# KiCad board PQ_EGSE.kicad_pcb
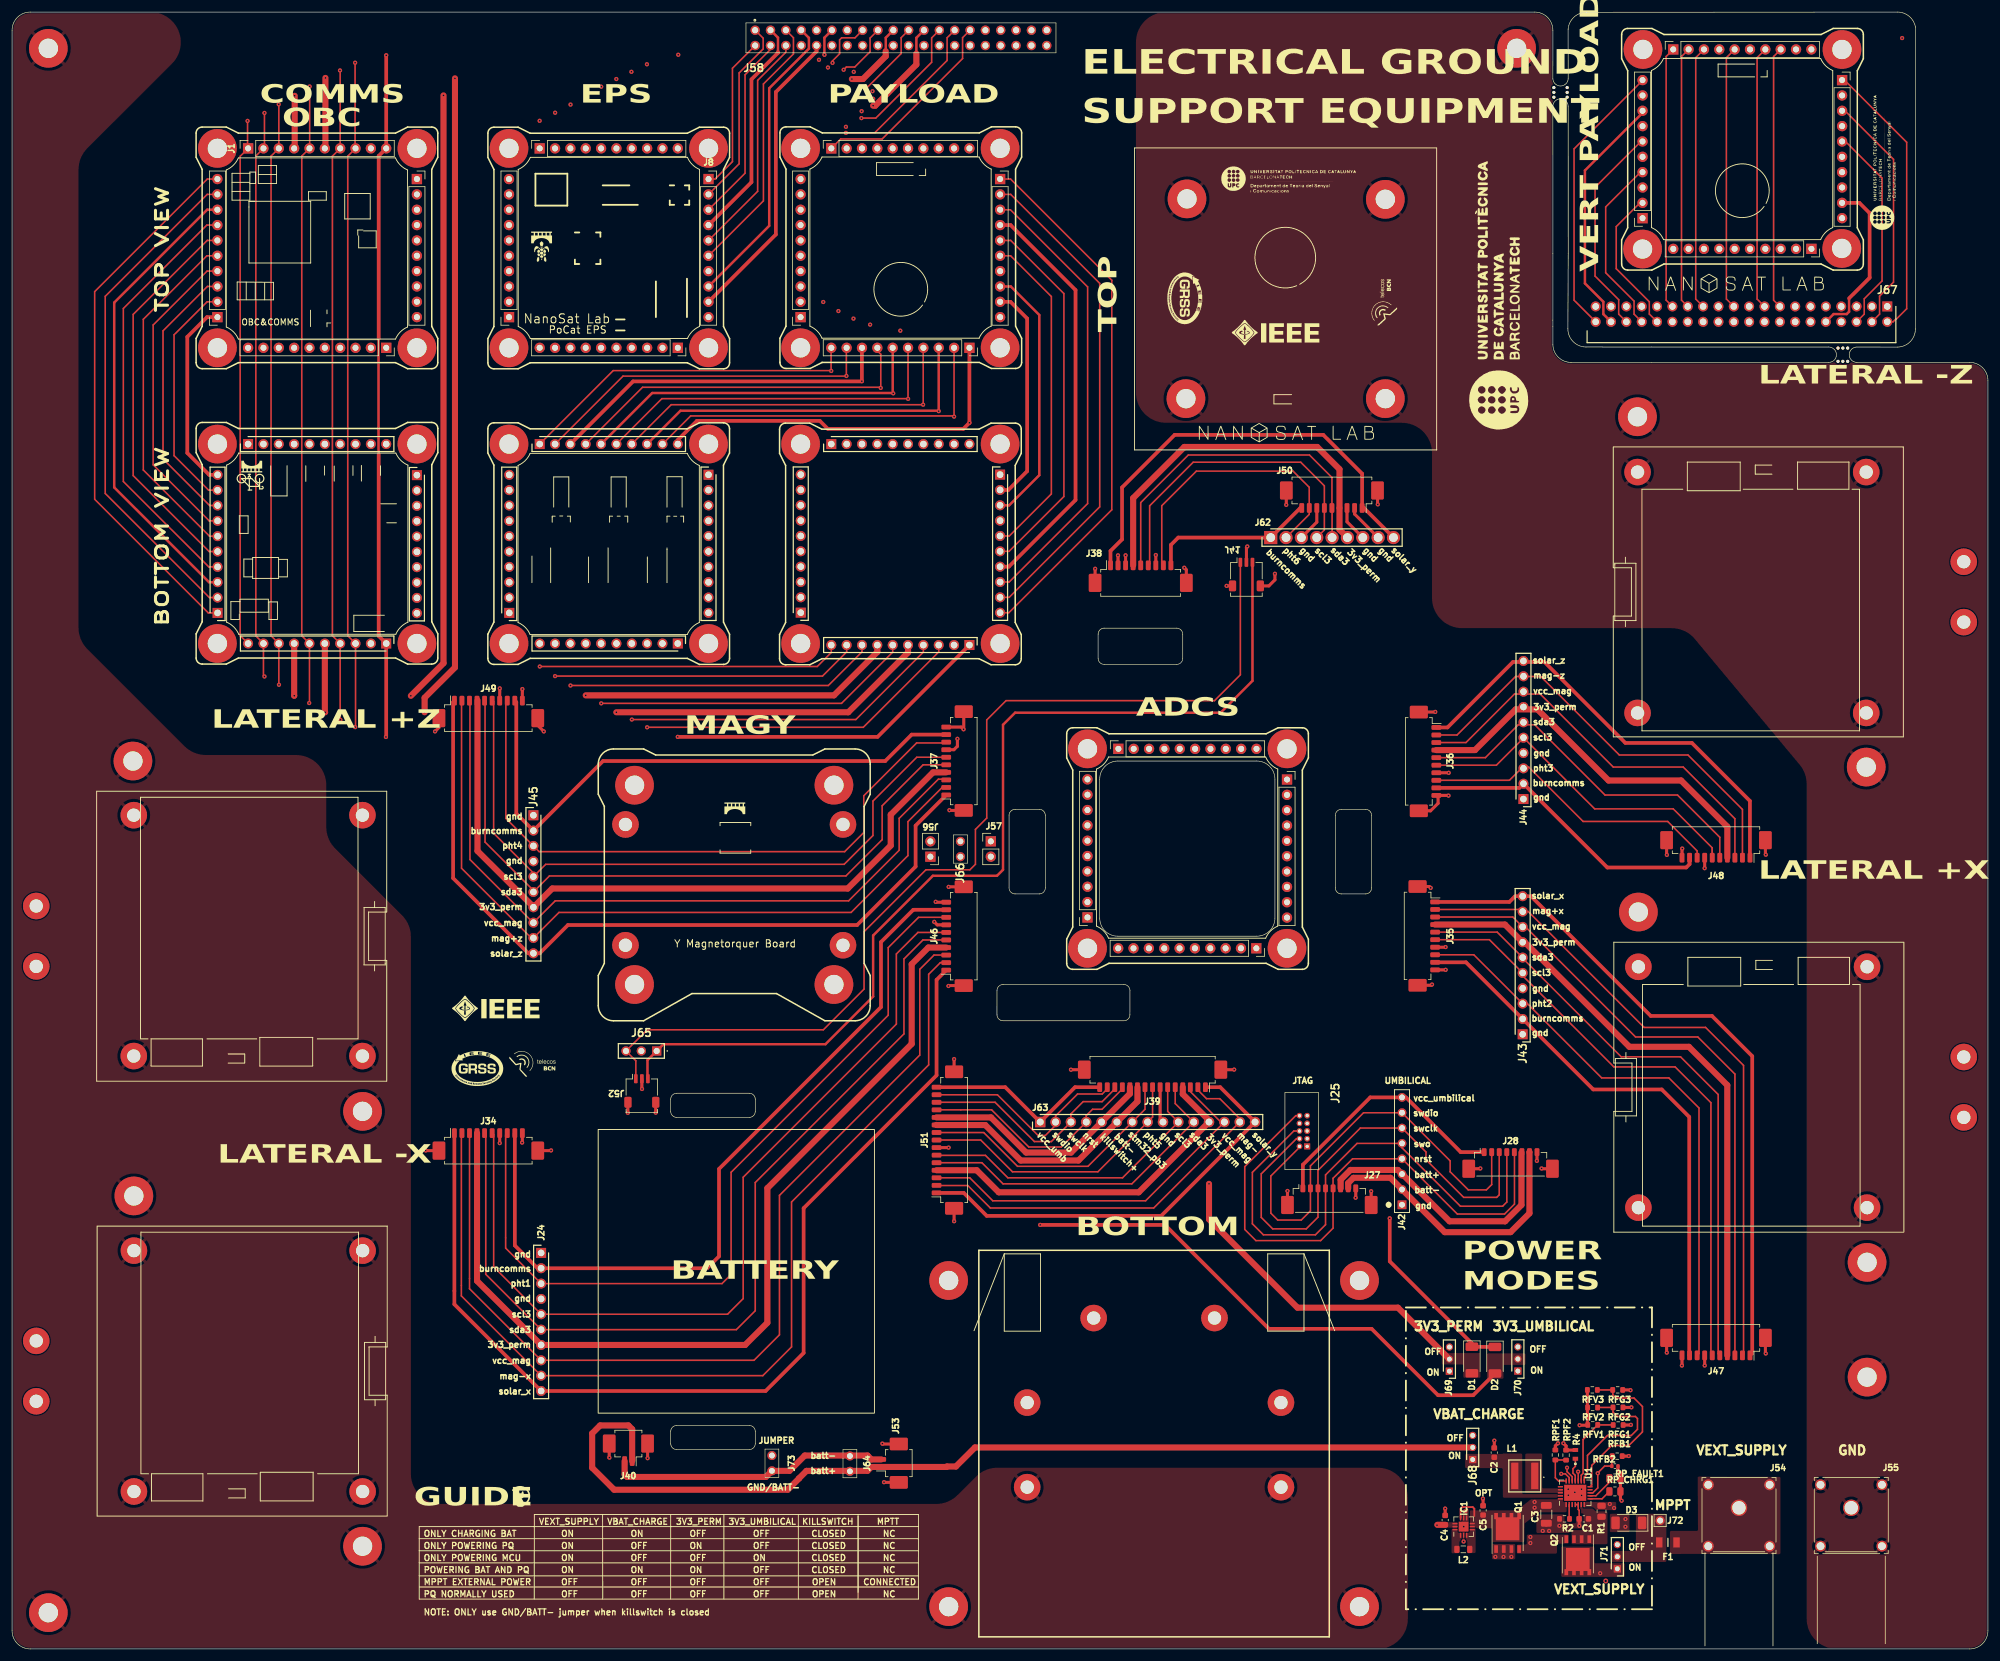
[diagram p0: board, top side]
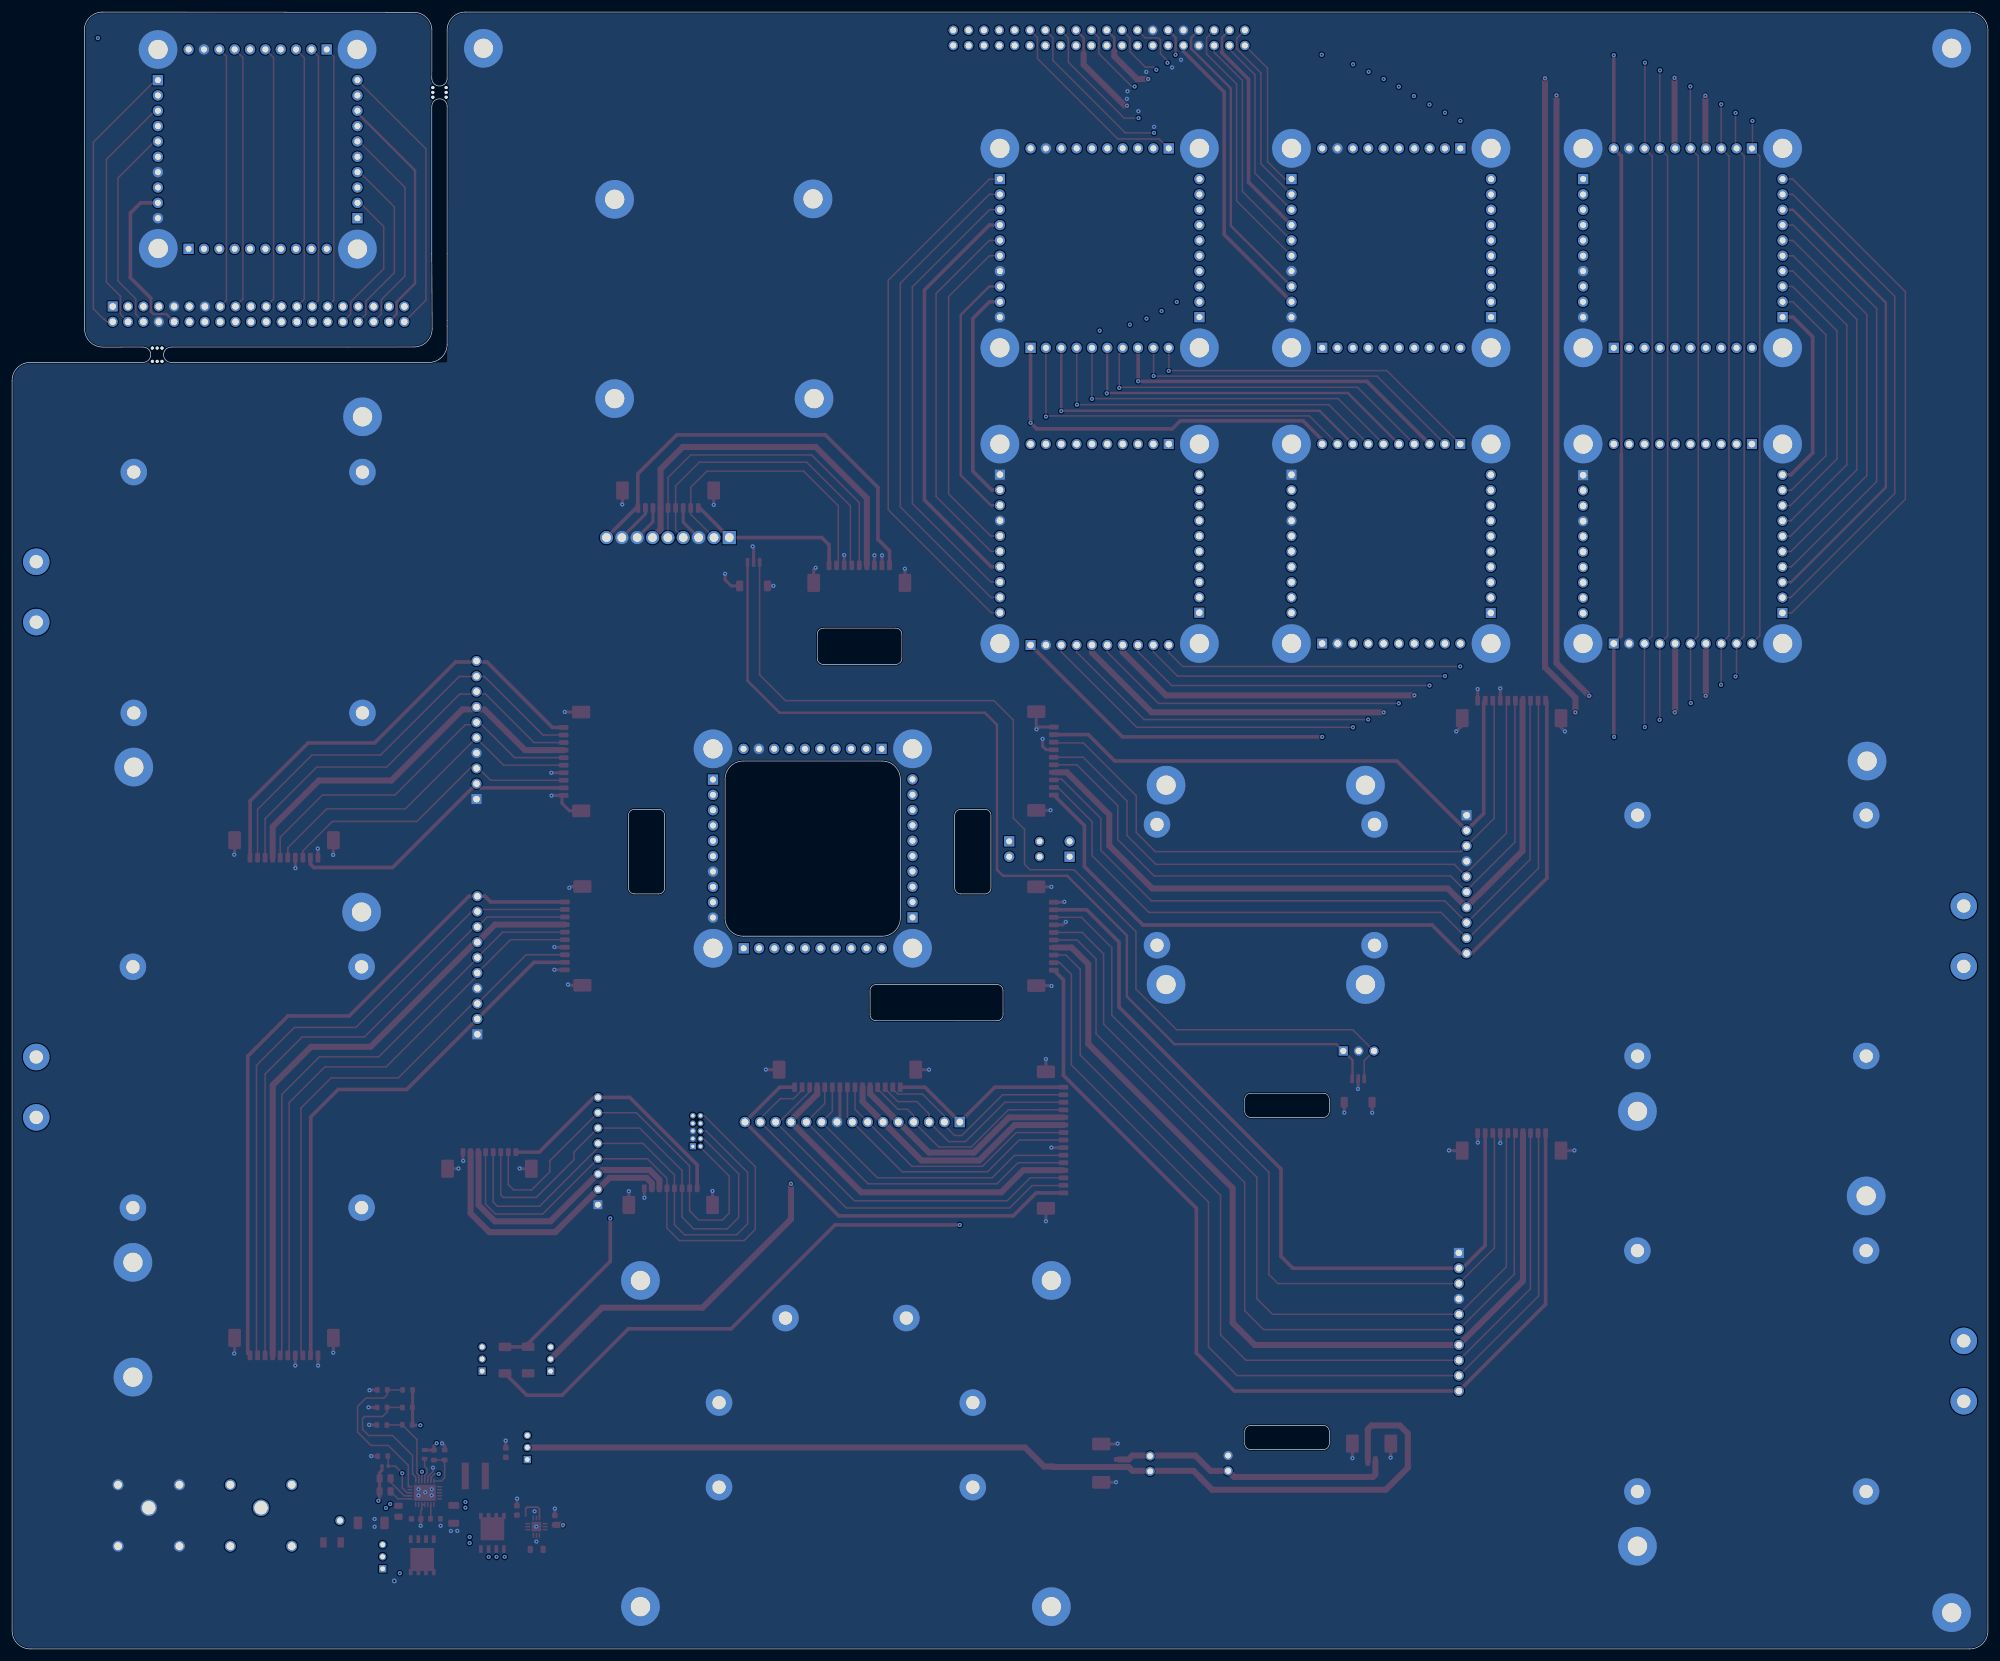
[diagram p1: board, bottom side, seen from below]

Outline 327 x 271 mm; copper layers: Top, In1.Cu, In2.Cu, In3.Cu, In4.Cu, Bottom. Coordinates in mm from the lower left corner of the outline.
Outline path: 254.99,255.37 255,230.99 255,220 255,216 arc(255.88,213.88) 258,213 271.31,213 300.66,213 ; 254.99,260.03 255,268 arc(254.12,270.12) 252,271 3,271 arc(0.88,270.12) 0,268 0,3 arc(0.88,0.88) 3,0 324,0 arc(326.12,0.88) 327,3 327,210 arc(326.12,212.12) 324,213 305.32,213 ; 257.53,260.03 257.52,268.15 arc(258.48,270.15) 260.54,270.97 312,271 arc(313.95,270.32) 315,268.54 315,218.54 arc(314.12,216.41) 312,215.54 305.32,215.54 ; 257.53,255.37 257.54,230.99 257.48,218.55 arc(258.36,216.43) 260.48,215.55 271.31,215.54 300.66,215.54 ; 109,91 109,89 arc(109.29,88.29) 110,88 122,88 arc(122.71,88.29) 123,89 123,91 arc(122.71,91.71) 122,92 110,92 arc(109.29,91.71) 109,91 ; 109,36 109,34 arc(109.29,33.29) 110,33 122,33 arc(122.71,33.29) 123,34 123,36 arc(122.71,36.71) 122,37 110,37 arc(109.29,36.71) 109,36 ; 163,109 163,105 arc(163.29,104.29) 164,104 184,104 arc(184.71,104.29) 185,105 185.01,109.03 arc(184.7,109.72) 184.01,110 164,110 arc(163.3,109.71) 163,109 ; 165,138 165,126 arc(165.29,125.29) 166,125 170,125 arc(170.71,125.29) 171,126 171,138 arc(170.71,138.71) 170,139 166,139 arc(165.29,138.71) 165,138 ; 179.74,168 179.74,164 arc(180.03,163.29) 180.74,163 192.74,163 arc(193.45,163.29) 193.74,164 193.74,168 arc(193.45,168.71) 192.74,169 180.74,169 arc(180.03,168.71) 179.74,168 ; 180,144 180,121 arc(180.88,118.88) 183,118 206,118 arc(208.12,118.88) 209,121 209,144 arc(208.12,146.12) 206,147 183,147 arc(180.88,146.12) 180,144 ; 219,138 219,126 arc(219.29,125.29) 220,125 224,125 arc(224.71,125.29) 225,126 225,138 arc(224.71,138.71) 224,139 220,139 arc(219.29,138.71) 219,138
Stack: Top 0.035mm / dielectric 0.1mm FR4 er 4.5 / In1.Cu 0.035mm / dielectric 0.535mm FR4 er 4.5 / In2.Cu 0.035mm / dielectric 0.1mm FR4 er 4.5 / In3.Cu 0.035mm / dielectric 0.535mm FR4 er 4.5 / In4.Cu 0.035mm / dielectric 0.1mm FR4 er 4.5 / Bottom 0.035mm

## Placement (name value [footprint] x y rotation side)
Annotation1  Silkscreen_Annotation  [Bike]  41.26 197.67 180 top
Annotation1#2  Silkscreen_Annotation  [IEEE_logo]  210.62 217.9 0 top
Annotation1#3  Silkscreen_Annotation  [GRSS]  77 96 0 top
Annotation1#4  Silkscreen_Annotation  [Bridgemaker]  119.57 139.08 0 top
Annotation1#5  Silkscreen_Annotation  [Bridgemaker]  87.59 233.6 0 top
Annotation2  Silkscreen_Annotation  [NakNak]  87.66 231.13 0 top
Annotation2#2  Silkscreen_Annotation  [GRSS]  194 223.62 270 top
Annotation2#3  Silkscreen_Annotation  [IEEE_logo]  81.58 106.01 0 top
Annotation3  Silkscreen_Annotation  [NSL_long]  286 226 0 top
Annotation3#2  Silkscreen_Annotation  [NSL_long]  211.55 201.29 0 top
Annotation4  Silkscreen_Annotation  [Telecos]  227.16 223.26 90 top
Annotation4#2  Silkscreen_Annotation  [Telecos]  86.43 96.81 0 top
Annotation5  Silkscreen_Annotation  [UPC_positiu]  309.9 245.8 90 top
Annotation5#2  Silkscreen_Annotation  [UPC_positiu]  210.98 242.99 0 top
C1  2.2u  [C_0603_1608Metric]  260.13 21.53 180 top
C2  10u  [C_0603_1608Metric]  245.3 32.51 90 top
C3  100u  [C_1206_3216Metric]  253.91 22.28 270 top
C4  22u  [C_0603_1608Metric]  237.18 21.33 270 top
C5  10u  [C_0603_1608Metric]  243.45 22.93 270 top
D1  type="D" model="RBS1LAM40ATR" lib=""  [RBS1LAM40ATR_Schottky]  241.6 47.83 270 top
D2  type="D" model="RBS1LAM40ATR" lib=""  [RBS1LAM40ATR_Schottky]  245.42 47.81 270 top
D3  type="D" model="RBS1LAM40ATR" lib=""  [RBS1LAM40ATR_Schottky]  267.57 20.87 180 top
F1  SF-1206S080-2  [FUSC3116X70N]  274.04 17.63 180 top
G***  LOGO  [upc_grande5]  246 224 90 top
G***#2  LOGO  [blackcatsmall]  84.25 25.25 0 top
H1  MountingHole_Pad  [MountingHole_3.2mm_M3_Pad]  33.98 248.44 0 top
H2  MountingHole_Pad  [MountingHole_3.2mm_M3_Pad]  67 248.44 0 top
H3  MountingHole_Pad  [MountingHole_3.2mm_M3_Pad]  33.98 215.42 0 top
H4  MountingHole_Pad  [MountingHole_3.2mm_M3_Pad]  67 215.42 0 top
H5  MountingHole_Pad  [MountingHole_3.2mm_M3_Pad]  82.24 248.44 0 top
H6  MountingHole_Pad  [MountingHole_3.2mm_M3_Pad]  82.24 215.42 0 top
H7  MountingHole_Pad  [MountingHole_3.2mm_M3_Pad]  115.26 248.44 0 top
H8  MountingHole_Pad  [MountingHole_3.2mm_M3_Pad]  115.26 215.42 0 top
H9  MountingHole_Pad  [MountingHole_3.2mm_M3_Pad]  130.5 248.44 0 top
H10  MountingHole_Pad  [MountingHole_3.2mm_M3_Pad]  163.52 248.44 0 top
H11  MountingHole_Pad  [MountingHole_3.2mm_M3_Pad]  130.5 215.42 0 top
H12  MountingHole_Pad  [MountingHole_3.2mm_M3_Pad]  163.52 215.42 0 top
H13  MountingHole_Pad  [MountingHole_3.2mm_M3_Pad]  269.91 264.81 0 top
H14  MountingHole_Pad  [MountingHole_3.2mm_M3_Pad]  302.85 264.81 0 top
H15  MountingHole_Pad  [MountingHole_3.2mm_M3_Pad]  269.85 231.76 0 top
H16  MountingHole_Pad  [MountingHole_3.2mm_M3_Pad]  302.81 231.87 0 top
H17  MountingHole_Pad  [MountingHole_2.2mm_M2_Pad]  269.01 154.96 180 top
H18  MountingHole_Pad  [MountingHole_2.2mm_M2_Pad]  269.01 194.84 180 top
H19  MountingHole_Pad  [MountingHole_2.2mm_M2_Pad]  306.86 154.96 180 top
H20  MountingHole_Pad  [MountingHole_2.2mm_M2_Pad]  306.86 194.84 180 top
H21  MountingHole_Pad  [MountingHole_2.2mm_M2_Pad]  269.15 73.06 180 top
H22  MountingHole_Pad  [MountingHole_2.2mm_M2_Pad]  307 73.06 180 top
H23  MountingHole_Pad  [MountingHole_2.2mm_M2_Pad]  307 112.94 180 top
H24  MountingHole_Pad  [MountingHole_2.2mm_M2_Pad]  269.15 112.94 180 top
H25  MountingHole_Pad  [MountingHole_2.2mm_M2_Pad]  57.99 138.04 0 top
H26  MountingHole_Pad  [MountingHole_2.2mm_M2_Pad]  20.14 138.04 0 top
H27  MountingHole_Pad  [MountingHole_2.2mm_M2_Pad]  20.14 98.16 0 top
H28  MountingHole_Pad  [MountingHole_2.2mm_M2_Pad]  57.99 98.16 0 top
H29  MountingHole_Pad  [MountingHole_2.2mm_M2_Pad]  20.17 65.94 0 top
H30  MountingHole_Pad  [MountingHole_2.2mm_M2_Pad]  58.01 65.94 0 top
H31  MountingHole_Pad  [MountingHole_2.2mm_M2_Pad]  20.17 26.06 0 top
H32  MountingHole_Pad  [MountingHole_2.2mm_M2_Pad]  58.01 26.06 0 top
H33  MountingHole_Pad  [MountingHole_3.2mm_M3_Pad]  33.98 199.48 0 top
H34  MountingHole_Pad  [MountingHole_3.2mm_M3_Pad]  67 199.48 0 top
H35  MountingHole_Pad  [MountingHole_3.2mm_M3_Pad]  67 166.46 0 top
H36  MountingHole_Pad  [MountingHole_3.2mm_M3_Pad]  33.98 166.46 0 top
H37  MountingHole_Pad  [MountingHole_3.2mm_M3_Pad]  82.24 199.48 0 top
H38  MountingHole_Pad  [MountingHole_3.2mm_M3_Pad]  82.24 166.46 0 top
H39  MountingHole_Pad  [MountingHole_3.2mm_M3_Pad]  115.26 166.46 0 top
H40  MountingHole_Pad  [MountingHole_3.2mm_M3_Pad]  115.26 199.48 0 top
H41  MountingHole_Pad  [MountingHole_3.2mm_M3_Pad]  130.5 199.48 0 top
H42  MountingHole_Pad  [MountingHole_3.2mm_M3_Pad]  163.52 199.48 0 top
H43  MountingHole_Pad  [MountingHole_3.2mm_M3_Pad]  163.52 166.46 0 top
H44  MountingHole_Pad  [MountingHole_3.2mm_M3_Pad]  130.5 166.46 0 top
H45  MountingHole_Pad  [MountingHole_3.2mm_M3_Pad]  227.27 240 0 top
H46  MountingHole_Pad  [MountingHole_3.2mm_M3_Pad]  227.27 207 0 top
H47  MountingHole_Pad  [MountingHole_3.2mm_M3_Pad]  194.45 240.07 0 top
H48  MountingHole_Pad  [MountingHole_3.2mm_M3_Pad]  194.27 207 0 top
H49  MountingHole_Pad  [MountingHole_2.2mm_M2_Pad]  179 54.78 0 top
H50  MountingHole_Pad  [MountingHole_2.2mm_M2_Pad]  168 40.78 0 top
H51  MountingHole_Pad  [MountingHole_2.2mm_M2_Pad]  199 54.78 0 top
H52  MountingHole_Pad  [MountingHole_3.2mm_M3_Pad]  103.02 143 0 top
H53  MountingHole_Pad  [MountingHole_2.2mm_M2_Pad]  168 26.78 0 top
H54  MountingHole_Pad  [MountingHole_2.2mm_M2_Pad]  210 40.78 0 top
H55  MountingHole_Pad  [MountingHole_2.2mm_M2_Pad]  210 26.78 0 top
H56  MountingHole_Pad  [MountingHole_3.2mm_M3_Pad]  136.02 143 0 top
H57  MountingHole_Pad  [MountingHole_3.2mm_M3_Pad]  136.02 110 0 top
H58  MountingHole_Pad  [MountingHole_3.2mm_M3_Pad]  103.02 110 0 top
H59  MountingHole_Pad  [MountingHole_3.2mm_M3_Pad]  20 147 90 top
H60  MountingHole_Pad  [MountingHole_3.2mm_M3_Pad]  58 89 90 top
H61  MountingHole_Pad  [MountingHole_3.2mm_M3_Pad]  211 116 0 top
H62  MountingHole_Pad  [MountingHole_3.2mm_M3_Pad]  177.98 149.02 0 top
H63  MountingHole_Pad  [MountingHole_2.2mm_M2_Pad]  137.52 136.5 0 top
H64  MountingHole_Pad  [MountingHole_2.2mm_M2_Pad]  101.52 116.5 0 top
H65  MountingHole_Pad  [MountingHole_2.2mm_M2_Pad]  137.52 116.5 0 top
H66  MountingHole_Pad  [MountingHole_2.2mm_M2_Pad]  101.52 136.5 0 top
H67  MountingHole_Pad  [MountingHole_3.2mm_M3_Pad]  20.15 75 180 top
H68  MountingHole_Pad  [MountingHole_3.2mm_M3_Pad]  177.98 116 0 top
H69  MountingHole_Pad  [MountingHole_3.2mm_M3_Pad]  211 149.02 0 top
H70  MountingHole_Pad  [MountingHole_3.2mm_M3_Pad]  58 17 180 top
H71  MountingHole_Pad  [MountingHole_3.2mm_M3_Pad]  269.15 122 0 top
H72  MountingHole_Pad  [MountingHole_3.2mm_M3_Pad]  307 64 0 top
H73  MountingHole_Pad  [MountingHole_3.2mm_M3_Pad]  269 204 0 top
H74  MountingHole_Pad  [MountingHole_3.2mm_M3_Pad]  306.86 146 0 top
H75  MountingHole_Pad  [MountingHole_3.2mm_M3_Pad]  155 61 0 top
H76  MountingHole_Pad  [MountingHole_3.2mm_M3_Pad]  155 7 0 top
H77  MountingHole_Pad  [MountingHole_3.2mm_M3_Pad]  223 61 0 top
H78  MountingHole_Pad  [MountingHole_3.2mm_M3_Pad]  223 7 0 top
H79  MountingHole_Pad  [MountingHole_3.2mm_M3_Pad]  249 265 0 top
H80  MountingHole_Pad  [MountingHole_3.2mm_M3_Pad]  6 265 0 top
H81  MountingHole_Pad  [MountingHole_3.2mm_M3_Pad]  6 6 0 top
H82  MountingHole_Pad  [MountingHole_3.2mm_M3_Pad]  307 45 0 top
IC1  -  [ISL9120IRTNZ]  240.23 20.25 90 top
J1  CES-110-02-L-S  [PinSocket_1x10_P2.54mm_Vertical]  39.06 248.44 90 top
J2  CES-110-02-L-S  [PinSocket_1x10_P2.54mm_Vertical]  33.98 220.5 180 top
J3  CES-110-02-L-S  [PinSocket_1x10_P2.54mm_Vertical]  61.92 215.42 270 top
J4  CES-110-02-L-S  [PinSocket_1x10_P2.54mm_Vertical]  67 243.36 0 top
J5  CES-110-02-L-S  [PinSocket_1x10_P2.54mm_Vertical]  82.24 220.5 180 top
J6  CES-110-02-L-S  [PinSocket_1x10_P2.54mm_Vertical]  110.18 215.42 270 top
J7  CES-110-02-L-S  [PinSocket_1x10_P2.54mm_Vertical]  87.32 248.44 90 top
J8  CES-110-02-L-S  [PinSocket_1x10_P2.54mm_Vertical]  115.26 243.36 0 top
J9  CES-110-02-L-S  [PinSocket_1x10_P2.54mm_Vertical]  130.5 220.5 180 top
J10  CES-110-02-L-S  [PinSocket_1x10_P2.54mm_Vertical]  158.44 215.42 270 top
J11  CES-110-02-L-S  [PinSocket_1x10_P2.54mm_Vertical]  135.58 248.44 90 top
J12  CES-110-02-L-S  [PinSocket_1x10_P2.54mm_Vertical]  163.52 243.36 0 top
J13  TLW-110-05-T-S  [HDRV10W64P0X254_1X10_2540X248X838P]  82.28 171.53 270 top
J14  TLW-110-05-T-S  [HDRV10W64P0X254_1X10_2540X248X838P]  87.32 199.48 180 top
J15  TLW-110-05-T-S  [HDRV10W64P0X254_1X10_2540X248X838P]  110.18 166.46 0 top
J16  TLW-110-05-T-S  [HDRV10W64P0X254_1X10_2540X248X838P]  115.26 194.4 90 top
J17  TLW-110-05-T-S  [HDRV10W64P0X254_1X10_2540X248X838P]  39.06 199.48 180 top
J18  TLW-110-05-T-S  [HDRV10W64P0X254_1X10_2540X248X838P]  67 194.33 90 top
J19  TLW-110-05-T-S  [HDRV10W64P0X254_1X10_2540X248X838P]  61.92 166.46 0 top
J20  TLW-110-05-T-S  [HDRV10W64P0X254_1X10_2540X248X838P]  34.01 171.53 270 top
J21  TLW-110-05-T-S  [HDRV10W64P0X254_1X10_2540X248X838P]  135.58 199.48 180 top
J22  TLW-110-05-T-S  [HDRV10W64P0X254_1X10_2540X248X838P]  158.44 166.2 0 top
J23  TLW-110-05-T-S  [HDRV10W64P0X254_1X10_2540X248X838P]  163.51 194.42 90 top
J24  HTSW-110-07-G-S  [HDRV10W64P0X254_1X10_2540X248X838P]  87.55 65.56 90 top
J25  SHF-105-01-L-D-TH  [SHF10501LDTH]  214.34 83.21 90 top
J26  TLW-110-05-T-S  [HDRV10W64P0X254_1X10_2540X248X838P]  130.52 171.57 270 top
J27  Conn_01x08_MountingPin  [Molex_PicoBlade_53398-0871_1x08-1MP_P1.25mm_Vertical]  218 75 0 top
J28  Conn_01x08_MountingPin  [Molex_PicoBlade_53398-0871_1x08-1MP_P1.25mm_Vertical]  248 81 0 top
J29  CES-110-02-L-S  [PinSocket_1x10_P2.54mm_Vertical]  269.84 236.88 180 top
J30  CES-110-02-L-S  [PinSocket_1x10_P2.54mm_Vertical]  177.98 121.11 180 top
J31  CES-110-02-L-S  [PinSocket_1x10_P2.54mm_Vertical]  205.92 116 270 top
J32  CES-110-02-L-S  [PinSocket_1x10_P2.54mm_Vertical]  183.09 149.02 90 top
J33  CES-110-02-L-S  [PinSocket_1x10_P2.54mm_Vertical]  211 143.94 0 top
J34  Conn_01x11_MountingPin  [Molex_PicoBlade_53261-1071_1x10-1MP_P1.25mm_Horizontal]  78.82 83 0 top
J35  Conn_01x11_MountingPin  [Molex_PicoBlade_53261-1071_1x10-1MP_P1.25mm_Horizontal]  233.11 118.05 270 top
J36  Conn_01x11_MountingPin  [Molex_PicoBlade_53261-1071_1x10-1MP_P1.25mm_Horizontal]  233.32 146.94 270 top
J37  Conn_01x11_MountingPin  [Molex_PicoBlade_53261-1071_1x10-1MP_P1.25mm_Horizontal]  157 147 90 top
J38  Conn_01x11_MountingPin  [Molex_PicoBlade_53261-0971_1x09-1MP_P1.25mm_Horizontal]  186.79 177 0 top
J39  53261-1471  [Molex_PicoBlade_53261-1571_1x15-1MP_P1.25mm_Horizontal]  188.75 95.4 180 top
J40  53261-0271  [Molex_PicoBlade_53261-0271_1x02-1MP_P1.25mm_Horizontal]  102 33.5 180 top
J41  Pico-Clasp_01x03  [Picoclasp03]  204.06 177.08 180 bottom
J42  TLW-108-05-T-S  [SAMTEC_TLW-108-05-T-S]  230.03 91.31 90 top
J43  HTSW-110-07-G-S  [HDRV10W64P0X254_1X10_2540X248X838P]  250 101.76 270 top
J44  HTSW-110-07-G-S  [HDRV10W64P0X254_1X10_2540X248X838P]  250.13 140.71 270 top
J45  HTSW-110-07-G-S  [HDRV10W64P0X254_1X10_2540X248X838P]  86.28 138.03 90 top
J46  Conn_01x11_MountingPin  [Molex_PicoBlade_53261-1071_1x10-1MP_P1.25mm_Horizontal]  157 118 90 top
J47  Conn_01x11_MountingPin  [Molex_PicoBlade_53261-1071_1x10-1MP_P1.25mm_Horizontal]  282 51 180 top
J48  Conn_01x11_MountingPin  [Molex_PicoBlade_53261-1071_1x10-1MP_P1.25mm_Horizontal]  282 133.4 180 top
J49  Conn_01x11_MountingPin  [Molex_PicoBlade_53261-1071_1x10-1MP_P1.25mm_Horizontal]  78.82 154.6 0 top
J50  Conn_01x11_MountingPin  [Molex_PicoBlade_53261-0971_1x09-1MP_P1.25mm_Horizontal]  218.43 191.3 180 top
J51  53261-1471  [Molex_PicoBlade_53261-1571_1x15-1MP_P1.25mm_Horizontal]  155.4 84.25 90 top
J52  Pico-Clasp_01x03  [Picoclasp03]  104 91.59 180 bottom
J53  53261-0271  [Molex_PicoBlade_53261-0271_1x02-1MP_P1.25mm_Horizontal]  146.25 30.75 90 top
J54  -  [73099-2]  285.8 23.36 180 top
J55  73099-0  [73099-2]  304.38 23.36 180 top
J56  CES-102-02-L-S  [CES-102-02]  152 132.46 180 top
J57  CES-102-02-L-S  [CES-102-02]  161.96 132.4 0 top
J58  SSQ-120-01-L-D  [SSQ-120-XX-YYY-D]  122.98 268 180 top
J59  CES-110-02-L-S  [PinSocket_1x10_P2.54mm_Vertical]  274.92 264.82 90 top
J60  CES-110-02-L-S  [PinSocket_1x10_P2.54mm_Vertical]  297.78 231.8 270 top
J61  CES-110-02-L-S  [PinSocket_1x10_P2.54mm_Vertical]  302.86 259.74 0 top
J62  68001-109HLF  [HDRV9W90P0X254_1X9_2286X241X1143P]  208.3 184 0 top
J63  22-28-4153  [HDRV15W66P0X254_1X15_3810X249X838P]  170.15 87.24 0 top
J64  87224-2  [872242]  138.66 31.94 270 top
J65  54101-S0803LF  [54101S0803LF]  106.68 99 180 top
J66  87224-2  [872242]  156.95 131.16 90 top
J67  61304021021  [HDRRA40W64P254_2X20_5080X254X508P]  310.34 222.26 180 top
J68  M22-2010305  [HDRV3W60P0X200_1X3_600X200X525P]  241.73 31.36 90 top
J69  M22-2010305  [HDRV3W60P0X200_1X3_600X200X525P]  237.88 45.98 90 top
J70  M22-2010305  [HDRV3W60P0X200_1X3_600X200X525P]  249.21 46 90 top
J71  M22-2010305  [HDRV3W60P0X200_1X3_600X200X525P]  265.67 13.26 90 top
J72  Conn_01x01_Socket  [Pin_D0.9mm_L10.0mm_W2.4mm_FlatFork]  272.75 21.25 0 top
J73  87224-2  [872242]  125.75 32.02 270 top
L1  XAL5030-222MEC  [XAL5030222MEC]  250.35 28.63 180 top
L2  1u  [L_0805_2012Metric]  240.18 16.48 180 top
mouse-bite-2.54mm-slot  VAL**  [mouse-bite-2.54mm-slot]  302.99 214.27 180 top
mouse-bite-2.54mm-slot#2  VAL**  [mouse-bite-2.54mm-slot]  256.26 257.7 90 top
NOREF  -  [unnamed]  323 88 0 top
NOREF#2  -  [unnamed]  323 180 0 top
NOREF#3  -  [unnamed]  4 123 0 top
NOREF#4  -  [unnamed]  323 98 0 top
NOREF#5  -  [unnamed]  4 41 0 top
NOREF#6  -  [unnamed]  323 170 0 top
NOREF#7  -  [unnamed]  4 51 0 top
NOREF#8  -  [unnamed]  4 113 0 top
Q1  ~  [SIR424DP]  247.51 19.2 90 top
Q2  ~  [SIR424DP]  259.13 15.5 270 top
R1  75m  [R_0805_2012Metric]  263.05 22.79 270 top
R2  2k  [R_0603_1608Metric]  256.93 21.53 180 top
R4  ERJ-PA3F6201V  [ERJP03_PA3__0603_]  258.73 32.21 90 top
REF**  -  [Bridgemaker]  39.71 195.84 180 top
RFB1  68k  [R_0603_1608Metric]  265.65 31.92 0 top
RFB2  255k  [R_0402_1005Metric]  265.27 30.27 0 top
RFG1  1k  [R_0603_1608Metric]  265.81 37.07 180 top
RFG2  1k  [R_0603_1608Metric]  265.78 39.98 180 top
RFG3  1k  [R_0603_1608Metric]  265.73 42.88 180 top
RFV1  1k  [R_0603_1608Metric]  261.59 37.09 180 top
RFV2  1k  [R_0603_1608Metric]  261.58 39.97 180 top
RFV3  1k  [R_0603_1608Metric]  261.54 42.88 180 top
RP_CHRG1  5k  [R_0805_2012Metric]  265.27 26.07 0 top
RP_FAULT1  5k  [R_0805_2012Metric]  265.27 28.23 0 top
RPF1  68k  [R_0603_1608Metric]  255.41 32.11 90 top
RPF2  147k  [R_0603_1608Metric]  257.18 32.09 270 top
U1  LTC4040EUFD#PBF  [QFN-24-1EP_4x5mm_P0.5mm_EP2.65x3.65mm]  258.7 25.85 90 top
